# Altium PCB RV901-cnc-flipped.PcbDoc (part 4 of 4)
Units mil, origin at the board's own origin, x right, y up, seen from the top; angles counter-clockwise.
Board outline 5760 x 3629.92 mil, 4 copper layers (Top Layer, Layer 1, Layer 2, Bottom Layer), stack 72.18 mil thick; 387 components, 259 nets, 1192 pads, 558 vias.
Unrouted connection lines stored in the file: 53.
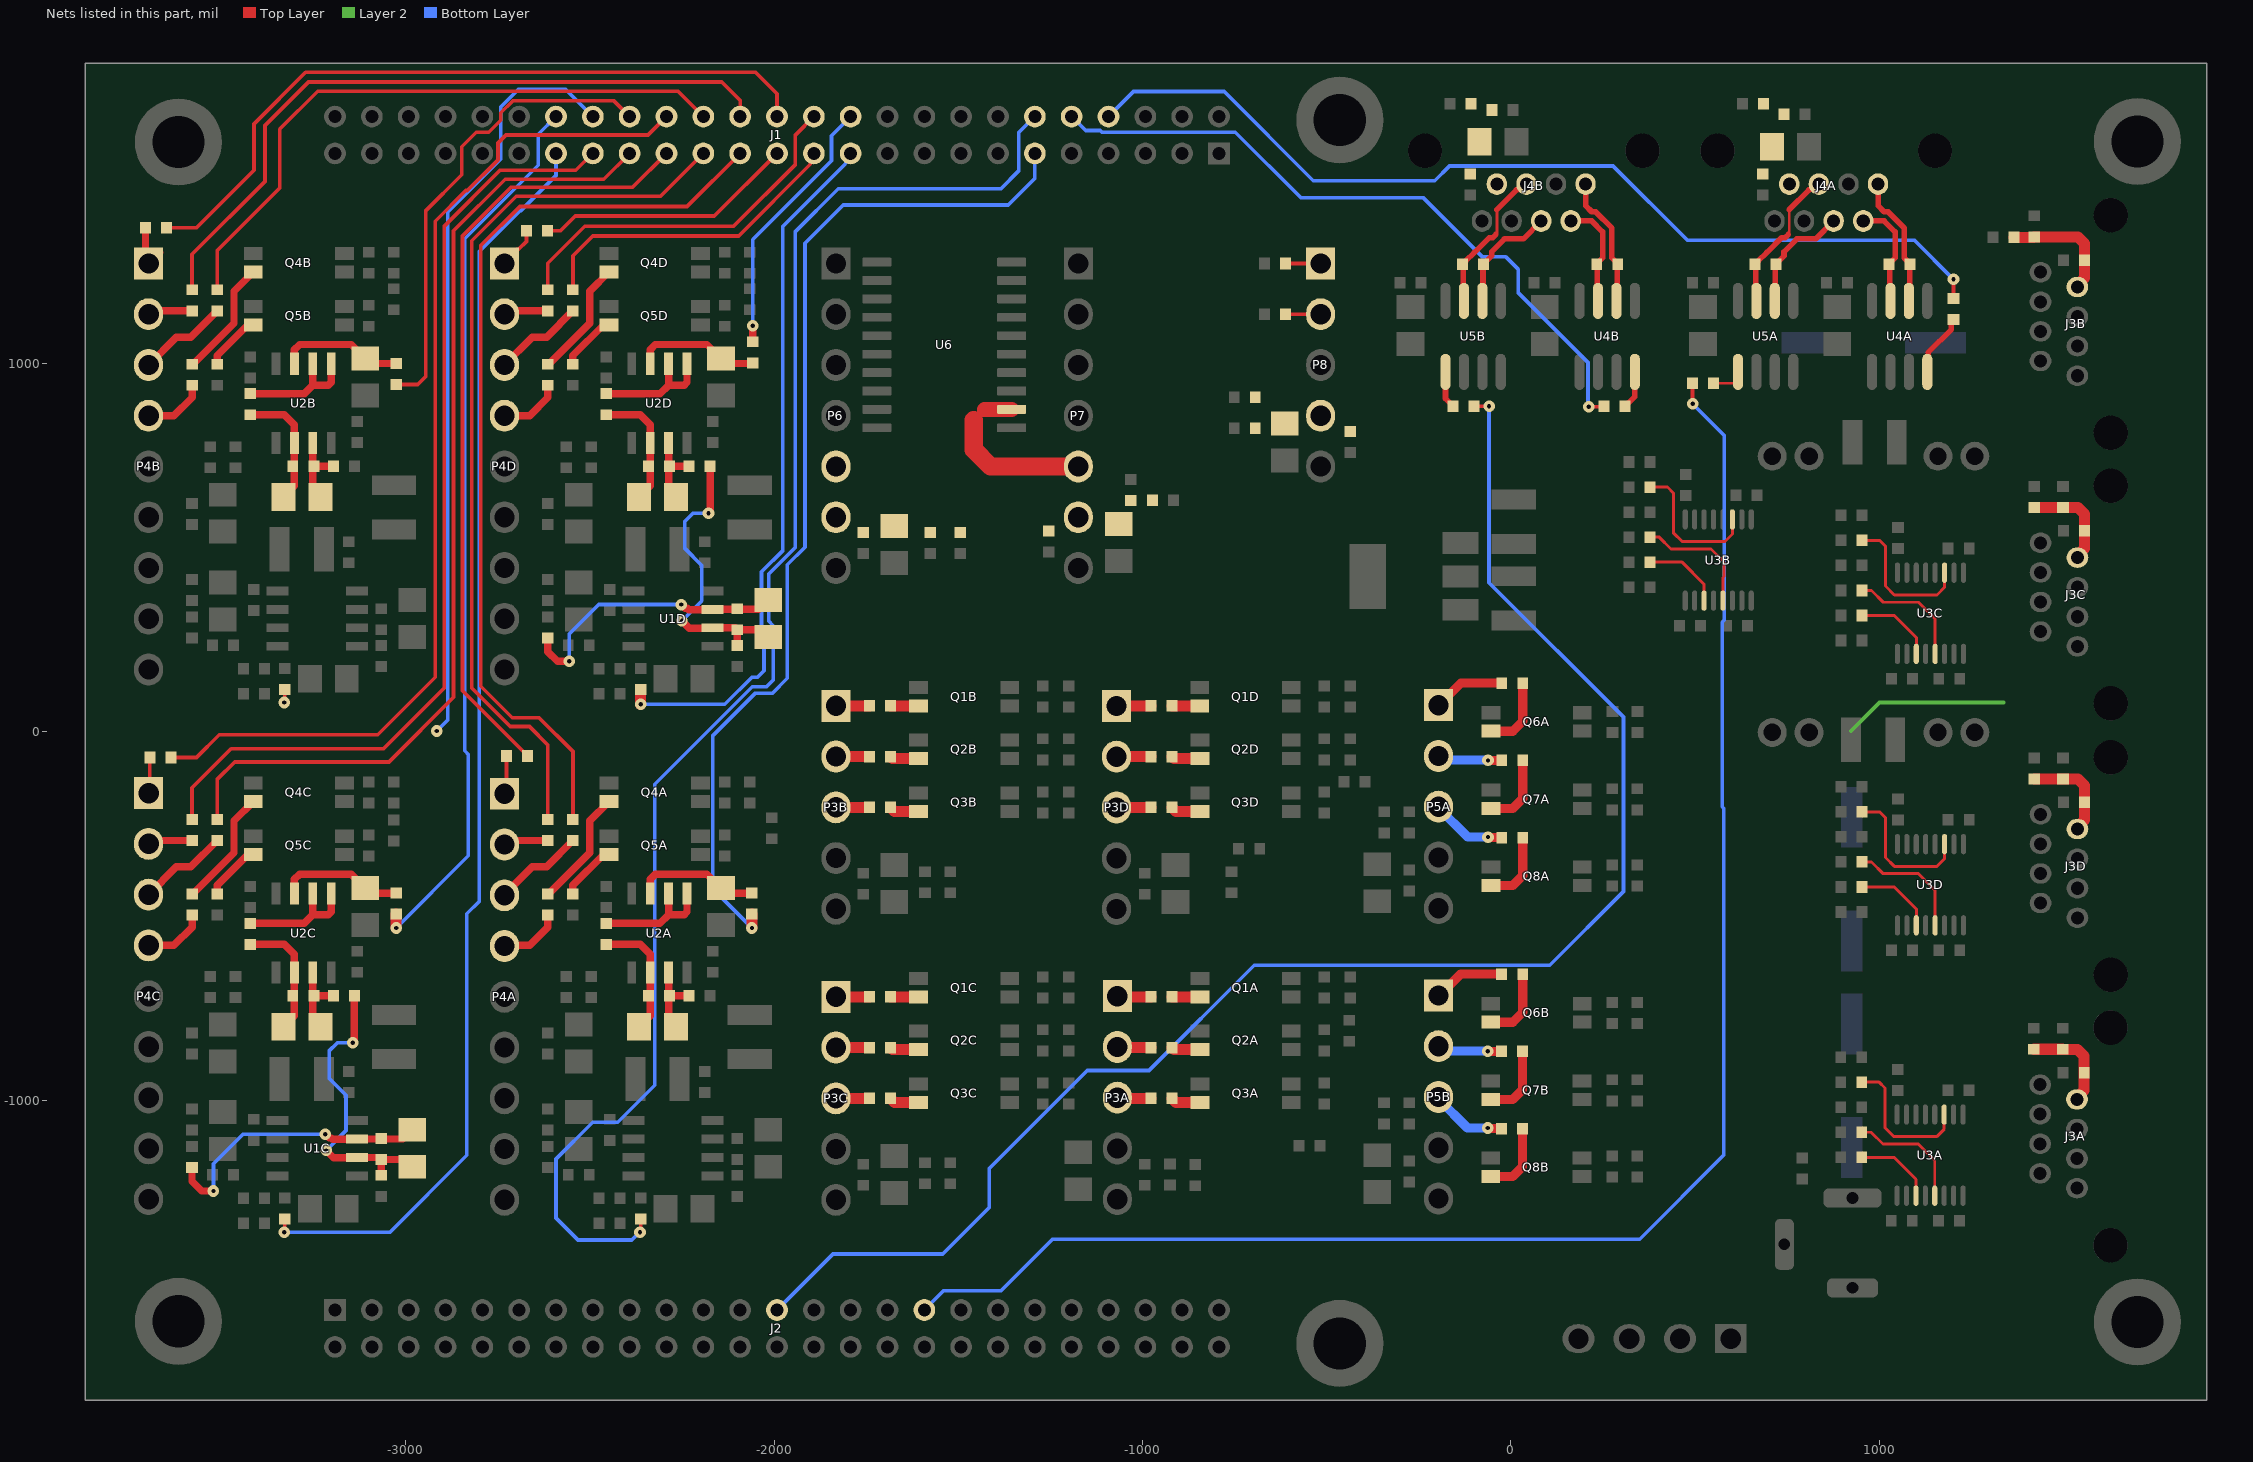
[diagram p6: the nets of this part, all layers, seen from the top]

## Via types
v1: diameter 31.5, hole 11.81, Top Layer to Bottom Layer, tented both sides, 558 vias

## Nets (pads, with @x,y where several pads share a name; then routed paths per layer and width w, separated by ;. In a path a pad name is that pad's centre, name@x,y a point inside that pad or via, vN(x,y) a via of type N, cw(c..) or ccw(c..) an arc to the next point about the centre after c; other vN are vias at no path point) (continued)
NetC8C_1: C8C.1 R15C.1 R19C.2 U1C.7 | length 769.9
  Top Layer w20: R15C.1@-3580.28,-1183.36 -3580.28,-1220.6 -3554.06,-1246.82 v1(-3522.06,-1246.82) ; v1(-3218.06,-1092.82) -3207.81,-1103.07 -3202.08,-1103.07 -3198.34,-1106.82 -3133.78,-1106.82 U1C.7@-3132.78,-1105.82 -3066.28,-1105.82 -3007.48,-1105.82 C8C.1@-2982.28,-1080.62
  Bottom Layer w10: v1(-3522.06,-1246.82) -3522.06,-1172.82 -3442.06,-1092.82 v1(-3218.06,-1092.82)
NetC8C_2: C8C.2 R16C.2 R18C.2 R19C.1 U1C.6 | length 810.2
  Top Layer w20: v1(-3216.06,-1136.82) -3196.06,-1156.82 -3133.78,-1156.82 U1C.6@-3132.78,-1155.82 -3071.83,-1155.82 R19C.1@-3066.28,-1161.36 ; v1(-3144.06,-844.82) -3139.52,-840.28 R18C.2@-3139.52,-716.82 ; R16C.2@-3066.28,-1204.28 R19C.1@-3066.28,-1161.36 ; C8C.2@-2982.28,-1181.02 -3001.94,-1161.36 R19C.1@-3066.28,-1161.36
  Bottom Layer w10: v1(-3216.06,-1136.82) -3162.06,-1082.82 -3162.06,-986.82 -3208.06,-940.82 -3208.06,-866.82 -3186.06,-844.82 v1(-3144.06,-844.82)
NetC8D_1: C8D.1 R15D.1 R19D.2 U1D.7 | length 769.9
  Top Layer w20: R15D.1@-2614.31,254.64 -2614.31,217.4 -2588.09,191.18 v1(-2556.09,191.18) ; v1(-2252.09,345.18) -2241.84,334.93 -2236.12,334.93 -2232.37,331.18 -2167.81,331.18 U1D.7@-2166.81,332.18 -2100.31,332.18 -2041.51,332.18 C8D.1@-2016.31,357.38
  Bottom Layer w10: v1(-2556.09,191.18) -2556.09,265.18 -2476.09,345.18 v1(-2252.09,345.18)
NetC8D_2: C8D.2 R16D.2 R18D.2 R19D.1 U1D.6 | length 810.2
  Top Layer w20: v1(-2250.09,301.18) -2230.09,281.18 -2167.81,281.18 U1D.6@-2166.81,282.18 -2105.86,282.18 R19D.1@-2100.31,276.64 ; v1(-2178.09,593.18) -2173.55,597.72 R18D.2@-2173.55,721.18 ; R16D.2@-2100.31,233.72 R19D.1@-2100.31,276.64 ; C8D.2@-2016.31,256.98 -2035.97,276.64 R19D.1@-2100.31,276.64
  Bottom Layer w10: v1(-2250.09,301.18) -2196.09,355.18 -2196.09,451.18 -2242.09,497.18 -2242.09,571.18 -2220.09,593.18 v1(-2178.09,593.18)
NetC9A_1: C9A.1 R20A.2 U2A.3 | length 341.5
  Top Layer w20: U2A.3@-2336.29,-439.07 -2336.29,-400.91 -2322.2,-386.82 -2182.09,-386.82 C9A.1@-2144.09,-424.82 -2130.64,-438.28 R20A.2@-2060.09,-438.28
NetC9B_1: C9B.1 R20B.2 U2B.3 | length 341.5
  Top Layer w20: U2B.3@-3302.26,998.93 -3302.26,1037.09 -3288.17,1051.18 -3148.06,1051.18 C9B.1@-3110.06,1013.18 -3096.61,999.72 R20B.2@-3026.06,999.72
NetC9C_1: C9C.1 R20C.2 U2C.3 | length 341.5
  Top Layer w20: U2C.3@-3302.26,-439.07 -3302.26,-400.91 -3288.17,-386.82 -3148.06,-386.82 C9C.1@-3110.06,-424.82 -3096.61,-438.28 R20C.2@-3026.06,-438.28
NetC9D_1: C9D.1 R20D.2 U2D.3 | length 341.5
  Top Layer w20: U2D.3@-2336.29,998.93 -2336.29,1037.09 -2322.2,1051.18 -2182.09,1051.18 C9D.1@-2144.09,1013.18 -2130.64,999.72 R20D.2@-2060.09,999.72
NetC14A_1: C14A.1 R18A.1 R22A.2 U2A.7 | length 211
  Top Layer w20: R22A.2@-2286.29,-717.25 -2285.86,-716.82 R18A.1@-2230.64,-716.82 ; U2A.7@-2286.29,-654.07 -2286.29,-780.43 C14A.1@-2265.9,-800.82
NetC14A_2: C14A.2 R21A.2 R22A.1 U2A.6 | length 337.7
  Top Layer w20: R21A.2@-2454.09,-577.36 -2363.55,-577.36 -2336.29,-604.62 U2A.6@-2336.29,-654.07 -2336.29,-716.82 -2336.29,-770.82 C14A.2@-2366.29,-800.82
NetC14B_1: C14B.1 R18B.1 R22B.2 U2B.7 | length 211
  Top Layer w20: R22B.2@-3252.26,720.75 -3251.83,721.18 R18B.1@-3196.61,721.18 ; U2B.7@-3252.26,783.93 -3252.26,657.57 C14B.1@-3231.87,637.18
NetC14B_2: C14B.2 R21B.2 R22B.1 U2B.6 | length 337.7
  Top Layer w20: R21B.2@-3420.06,860.64 -3329.52,860.64 -3302.26,833.38 U2B.6@-3302.26,783.93 -3302.26,721.18 -3302.26,667.18 C14B.2@-3332.26,637.18
NetC14C_1: C14C.1 R18C.1 R22C.2 U2C.7 | length 211
  Top Layer w20: R22C.2@-3252.26,-717.25 -3251.83,-716.82 R18C.1@-3196.61,-716.82 ; U2C.7@-3252.26,-654.07 -3252.26,-780.43 C14C.1@-3231.87,-800.82
NetC14C_2: C14C.2 R21C.2 R22C.1 U2C.6 | length 337.7
  Top Layer w20: R21C.2@-3420.06,-577.36 -3329.52,-577.36 -3302.26,-604.62 U2C.6@-3302.26,-654.07 -3302.26,-716.82 -3302.26,-770.82 C14C.2@-3332.26,-800.82
NetC14D_1: C14D.1 R18D.1 R22D.2 U2D.7 | length 211
  Top Layer w20: R22D.2@-2286.29,720.75 -2285.86,721.18 R18D.1@-2230.64,721.18 ; U2D.7@-2286.29,783.93 -2286.29,657.57 C14D.1@-2265.9,637.18
NetC14D_2: C14D.2 R21D.2 R22D.1 U2D.6 | length 337.7
  Top Layer w20: R21D.2@-2454.09,860.64 -2363.55,860.64 -2336.29,833.38 U2D.6@-2336.29,783.93 -2336.29,721.18 -2336.29,667.18 C14D.2@-2366.29,637.18
NetC21A_1: C21A.1 J3A.7 R39A.2 R40A.1 | length 270.4
  Top Layer w30: R39A.2@1420.39,-862.05 R40A.1@1498.39,-862.05 1498.62,-862.28 1539.17,-862.28 1556.93,-880.05 C21A.1@1556.93,-925.5 1556.93,-973.96 1537.39,-993.5 J3A.7@1537.39,-998.33
NetC21B_1: C21B.1 J3B.7 R39B.2 R40B.1 | length 325.9
  Top Layer w30: R40B.1@1366.48,1342 1419.25,1342 1420.84,1343.59 R39B.2@1421.35,1343.59 1499.35,1343.59 1499.59,1343.35 1540.13,1343.35 1557.9,1325.59 C21B.1@1557.9,1280.13 1557.9,1231.68 1538.35,1212.14 J3B.7@1538.35,1207.31
NetC21C_1: C21C.1 J3C.7 R39C.2 R40C.1 | length 270.4
  Top Layer w30: R39C.2@1421.39,608.95 R40C.1@1499.39,608.95 1499.62,608.72 1540.17,608.72 1557.93,590.95 C21C.1@1557.93,545.5 1557.93,497.04 1538.39,477.5 J3C.7@1538.39,472.67
NetC21D_1: C21D.1 J3D.7 R39D.2 R40D.1 | length 270.4
  Top Layer w30: R39D.2@1421.39,-128.05 R40D.1@1499.39,-128.05 1499.62,-128.28 1540.17,-128.28 1557.93,-146.05 C21D.1@1557.93,-191.5 1557.93,-239.96 1538.39,-259.5 J3D.7@1538.39,-264.33
NetC25A_1: C25A.1 C26A.1 J4A.7 R43A.2 R44A.1
NetC25B_1: C25B.1 C26B.1 J4B.7 R43B.2 R44B.1
NetC34_1: C34.1 C35.1 P6.6 R55.2 R56.1
NetC36_1: C36.1 C37.1 P7.6 R57.2 R58.1
NetC38_1: C38.1 C39.1 P8.4 R62.2 R63.1
NetP3A_1: P3A.1 R2A.1 | length 91.5
  Top Layer w30: P3A.1@-1068.06,-719.72 R2A.1@-976.61,-719.72
NetP3A_2: P3A.2 R4A.1 | length 91.5
  Top Layer w30: P3A.2@-1068.06,-857.52 R4A.1@-976.61,-857.51
NetP3A_3: P3A.3 R6A.1 | length 91.5
  Top Layer w30: P3A.3@-1068.06,-995.31 R6A.1@-976.61,-995.31
NetP3B_1: P3B.1 R2B.1 | length 91.5
  Top Layer w30: P3B.1@-1832.09,70.28 R2B.1@-1740.64,70.28
NetP3B_2: P3B.2 R4B.1 | length 91.5
  Top Layer w30: P3B.2@-1832.09,-67.52 R4B.1@-1740.64,-67.51
NetP3B_3: P3B.3 R6B.1 | length 91.5
  Top Layer w30: P3B.3@-1832.09,-205.32 R6B.1@-1740.64,-205.31
NetP3C_1: P3C.1 R2C.1 | length 91.5
  Top Layer w30: P3C.1@-1832.09,-719.72 R2C.1@-1740.64,-719.72
NetP3C_2: P3C.2 R4C.1 | length 91.5
  Top Layer w30: P3C.2@-1832.09,-857.52 R4C.1@-1740.64,-857.51
NetP3C_3: P3C.3 R6C.1 | length 91.5
  Top Layer w30: P3C.3@-1832.09,-995.32 R6C.1@-1740.64,-995.31
NetP3D_1: P3D.1 R2D.1 | length 91.5
  Top Layer w30: P3D.1@-1068.09,70.28 R2D.1@-976.64,70.28
NetP3D_2: P3D.2 R4D.1 | length 91.5
  Top Layer w30: P3D.2@-1068.09,-67.52 R4D.1@-976.64,-67.51
NetP3D_3: P3D.3 R6D.1 | length 91.5
  Top Layer w30: P3D.3@-1068.09,-205.31 R6D.1@-976.64,-205.31
NetP4A_1: P4A.1 R7A.2 | length 147.1
  Top Layer w10: P4A.1@-2732.09,-168.54 -2726.61,-163.06 R7A.2@-2726.61,-66
  Top Layer w20: P4A.1@-2732.09,-166.72 P4A.1@-2702.19,-136.82
NetP4A_2: P4A.2 R8A.2 | length 121.8
  Top Layer w20: P4A.2@-2732.09,-304.52 -2722.94,-295.36 R8A.2@-2614.09,-295.36
NetP4A_3: P4A.3 R9A.2 | length 246.9
  Top Layer w20: P4A.3@-2732.09,-442.32 -2656.6,-366.82 -2617.55,-366.82 R9A.2@-2546.09,-295.36
NetP4B_1: P4B.1 R7B.2 | length 142.6
  Top Layer w20: R7B.2@-3706.61,1368 -3706.61,1279.82 P4B.1@-3698.06,1271.28 P4B.1@-3668.16,1301.18
NetP4B_2: P4B.2 R8B.2 | length 121.8
  Top Layer w20: P4B.2@-3698.06,1133.48 -3688.91,1142.64 R8B.2@-3580.06,1142.64
NetP4B_3: P4B.3 R9B.2 | length 246.9
  Top Layer w20: P4B.3@-3698.06,995.68 -3622.57,1071.18 -3583.52,1071.18 R9B.2@-3512.06,1142.64
NetP4C_1: P4C.1 R7C.2 | length 98.2
  Top Layer w10: P4C.1@-3698.06,-166.72 -3694.61,-163.27 R7C.2@-3694.61,-70
NetP4C_2: P4C.2 R8C.2 | length 121.8
  Top Layer w20: P4C.2@-3698.06,-304.52 -3688.91,-295.36 R8C.2@-3580.06,-295.36
NetP4C_3: P4C.3 R9C.2 | length 246.9
  Top Layer w20: P4C.3@-3698.06,-442.32 -3622.57,-366.82 -3583.52,-366.82 R9C.2@-3512.06,-295.36
NetP4D_1: P4D.1 R7D.2 | length 115.8
  Top Layer w10: P4D.1@-2732.09,1271.28 -2732.09,1275.21 -2697.72,1309.58 -2693.79,1309.58 -2672.33,1331.03 R7D.2@-2672.33,1360
NetP4D_2: P4D.2 R8D.2 | length 121.8
  Top Layer w20: P4D.2@-2732.09,1133.48 -2722.94,1142.64 R8D.2@-2614.09,1142.64
NetP4D_3: P4D.3 R9D.2 | length 246.9
  Top Layer w20: P4D.3@-2732.09,995.68 -2656.6,1071.18 -2617.55,1071.18 R9D.2@-2546.09,1142.64
NetP5A_1: P5A.1 R50A.1 | length 195.9
  Top Layer w25: P5A.1@-195.43,72 -135.43,132 R50A.1@-24.35,132
NetP5A_2: P5A.2 R52A.1 | length 175.9
  Top Layer w25: v1(-61.81,-78) R52A.1@-24.57,-78
  Bottom Layer w25: P5A.2@-195.43,-65.8 -184.47,-76.76 -63.05,-76.76 v1(-61.81,-78)
NetP5A_3: P5A.3 R54A.1 | length 207.7
  Top Layer w25: v1(-61.81,-286) -60.81,-287 R54A.1@-24.57,-287
  Bottom Layer w25: P5A.3@-195.43,-203.59 -195.43,-207.53 -116.96,-286 v1(-61.81,-286)
NetP5B_1: P5B.1 R50B.1 | length 195.9
  Top Layer w25: P5B.1@-195.68,-718 -135.69,-658 R50B.1@-24.61,-658
NetP5B_2: P5B.2 R52B.1 | length 175.9
  Top Layer w25: v1(-62.06,-868) R52B.1@-24.83,-868
  Bottom Layer w25: P5B.2@-195.68,-855.8 -184.72,-866.76 -63.31,-866.76 v1(-62.06,-868)
NetP5B_3: P5B.3 R54B.1 | length 207.7
  Top Layer w25: v1(-62.06,-1076) -61.06,-1077 R54B.1@-24.83,-1077
  Bottom Layer w25: P5B.3@-195.68,-993.59 -195.68,-997.53 -117.21,-1076 v1(-62.06,-1076)
NetP8_1: P8.1 R59.2 | length 95.5
  Top Layer w10: R59.2@-611.52,1271.27 P8.1@-516.06,1271.27
NetP8_2: P8.2 R60.2 | length 95.5
  Top Layer w10: R60.2@-611.52,1133.48 P8.2@-516.06,1133.48
NetQ1A_2: Q1A.2 R2A.2 | length 75.5
  Top Layer w30: R2A.2@-919.52,-719.72 -919.47,-719.77 -844.13,-719.77 Q1A.2@-844.08,-719.82
NetQ1B_2: Q1B.2 R2B.2 | length 75.5
  Top Layer w30: R2B.2@-1683.55,70.28 -1683.5,70.23 Q1B.2@-1608.11,70.18 Q1B.2@-1608.11,70.18
NetQ1C_2: Q1C.2 R2C.2 | length 75.5
  Top Layer w30: R2C.2@-1683.55,-719.72 -1683.5,-719.77 Q1C.2@-1608.11,-719.82 Q1C.2@-1608.11,-719.82
NetQ1D_2: Q1D.2 R2D.2 | length 75.5
  Top Layer w30: R2D.2@-919.55,70.28 -919.5,70.23 Q1D.2@-844.11,70.18 Q1D.2@-844.11,70.18
NetQ2A_2: Q2A.2 R4A.2 | length 78
  Top Layer w30: R4A.2@-919.52,-857.51 -919.52,-858.02 -914.72,-862.82 Q2A.2@-844.06,-862.82
NetQ2B_2: Q2B.2 R4B.2 | length 78
  Top Layer w30: R4B.2@-1683.55,-67.51 -1683.55,-68.02 -1678.76,-72.82 Q2B.2@-1608.09,-72.82
NetQ2C_2: Q2C.2 R4C.2 | length 78
  Top Layer w30: R4C.2@-1683.55,-857.51 -1683.55,-858.02 -1678.76,-862.82 Q2C.2@-1608.09,-862.82
NetQ2D_2: Q2D.2 R4D.2 | length 78
  Top Layer w30: R4D.2@-919.55,-67.51 -919.55,-68.02 -914.76,-72.82 Q2D.2@-844.09,-72.82
NetQ3A_2: Q3A.2 R6A.2 | length 80.5
  Top Layer w30: R6A.2@-919.52,-995.31 -919.52,-995.82 -908.52,-1006.82 Q3A.2@-844.06,-1006.82
NetQ3B_2: Q3B.2 R6B.2 | length 80.5
  Top Layer w30: R6B.2@-1683.55,-205.31 -1683.55,-205.82 -1672.55,-216.82 Q3B.2@-1608.09,-216.82
NetQ3C_2: Q3C.2 R6C.2 | length 80.5
  Top Layer w30: R6C.2@-1683.55,-995.31 -1683.55,-995.82 -1672.55,-1006.82 Q3C.2@-1608.09,-1006.82
NetQ3D_2: Q3D.2 R6D.2 | length 80.5
  Top Layer w30: R6D.2@-919.55,-205.31 -919.55,-205.82 -908.55,-216.82 Q3D.2@-844.09,-216.82
NetQ4A_2: Q4A.2 R27A.2 | length 320.7
  Top Layer w20: R27A.2@-2614.09,-440.28 -2611.55,-440.28 -2500.09,-328.82 -2500.09,-241.8 Q4A.2@-2448.11,-189.82
NetQ4B_2: Q4B.2 R27B.2 | length 320.7
  Top Layer w20: R27B.2@-3580.06,997.72 -3577.52,997.72 -3466.06,1109.18 -3466.06,1196.2 Q4B.2@-3414.08,1248.18
NetQ4C_2: Q4C.2 R27C.2 | length 320.7
  Top Layer w20: R27C.2@-3580.06,-440.28 -3577.52,-440.28 -3466.06,-328.82 -3466.06,-241.8 Q4C.2@-3414.08,-189.82
NetQ4D_2: Q4D.2 R27D.2 | length 320.7
  Top Layer w20: R27D.2@-2614.09,997.72 -2611.55,997.72 -2500.09,1109.18 -2500.09,1196.2 Q4D.2@-2448.11,1248.18
NetQ5A_2: Q5A.2 R29A.2 | length 155.8
  Top Layer w20: R29A.2@-2546.09,-440.28 -2546.09,-416.82 -2463.09,-333.82 Q5A.2@-2448.11,-333.82
NetQ5B_2: Q5B.2 R29B.2 | length 155.8
  Top Layer w20: R29B.2@-3512.06,997.72 -3512.06,1021.18 -3429.06,1104.18 Q5B.2@-3414.08,1104.18
NetQ5C_2: Q5C.2 R29C.2 | length 155.8
  Top Layer w20: R29C.2@-3512.06,-440.28 -3512.06,-416.82 -3429.06,-333.82 Q5C.2@-3414.08,-333.82
NetQ5D_2: Q5D.2 R29D.2 | length 155.8
  Top Layer w20: R29D.2@-2546.09,997.72 -2546.09,1021.18 -2463.09,1104.18 Q5D.2@-2448.11,1104.18
NetQ6A_2: Q6A.2 R50A.2 | length 201.2
  Top Layer w25: Q6A.2@-53.83,1.46 5.65,1.46 32.73,28.54 R50A.2@32.73,132
NetQ6B_2: Q6B.2 R50B.2 | length 201.2
  Top Layer w25: Q6B.2@-54.08,-788.54 5.39,-788.54 32.48,-761.46 R50B.2@32.48,-658
NetQ7A_2: Q7A.2 R52A.2 | length 201.2
  Top Layer w25: Q7A.2@-54.05,-208.54 5.43,-208.54 32.51,-181.46 R52A.2@32.51,-78
NetQ7B_2: Q7B.2 R52B.2 | length 201.2
  Top Layer w25: Q7B.2@-54.3,-998.54 5.17,-998.54 32.26,-971.46 R52B.2@32.26,-868
NetQ8A_2: Q8A.2 R54A.2 | length 201.2
  Top Layer w25: Q8A.2@-54.05,-417.54 5.43,-417.54 32.51,-390.46 R54A.2@32.51,-287
NetQ8B_2: Q8B.2 R54B.2 | length 201.2
  Top Layer w25: Q8B.2@-54.3,-1207.54 5.17,-1207.54 32.26,-1180.46 R54B.2@32.26,-1077
NetR21A_1: R21A.1 U2A.1 U2A.2 | length 338.6
  Top Layer w20: R21A.1@-2454.09,-520.28 -2309.55,-520.28 -2286.29,-497.02 ; U2A.2@-2286.29,-439.07 -2286.29,-497.02 ; U2A.1@-2236.29,-439.07 -2236.29,-489.02 -2244.29,-497.02 -2286.29,-497.02
NetR21B_1: R21B.1 U2B.1 U2B.2 | length 338.6
  Top Layer w20: R21B.1@-3420.06,917.72 -3275.52,917.72 -3252.26,940.98 ; U2B.2@-3252.26,998.93 -3252.26,940.98 ; U2B.1@-3202.26,998.93 -3202.26,948.98 -3210.26,940.98 -3252.26,940.98
NetR21C_1: R21C.1 U2C.1 U2C.2 | length 338.6
  Top Layer w20: R21C.1@-3420.06,-520.28 -3275.52,-520.28 -3252.26,-497.02 ; U2C.2@-3252.26,-439.07 -3252.26,-497.02 ; U2C.1@-3202.26,-439.07 -3202.26,-489.02 -3210.26,-497.02 -3252.26,-497.02
NetR21D_1: R21D.1 U2D.1 U2D.2 | length 338.6
  Top Layer w20: R21D.1@-2454.09,917.72 -2309.55,917.72 -2286.29,940.98 ; U2D.2@-2286.29,998.93 -2286.29,940.98 ; U2D.1@-2236.29,998.93 -2236.29,948.98 -2244.29,940.98 -2286.29,940.98
NetR30A_1: R30A.1 U3A.3 | length 216.4
  Top Layer w8: R30A.1@952.9,-1155.5 1040.39,-1155.5 1100,-1215.12 U3A.3@1100,-1259.74
NetR30B_1: R30B.1 U3B.3 | length 216.4
  Top Layer w8: R30B.1@377.87,460.13 465.35,460.13 524.97,400.52 U3B.3@524.97,355.9
NetR30C_1: R30C.1 U3C.3 | length 216.4
  Top Layer w8: R30C.1@953.9,315.5 1041.39,315.5 1101,255.88 U3C.3@1101,211.26
NetR30D_1: R30D.1 U3D.3 | length 216.4
  Top Layer w8: R30D.1@953.9,-421.5 1041.39,-421.5 1101,-481.12 U3D.3@1101,-525.74
NetR32A_1: R32A.1 U3A.5 | length 325.5
  Top Layer w8: R32A.1@952.9,-1087.5 978.39,-1087.5 1010.39,-1119.5 1106.39,-1119.5 1151.18,-1164.3 U3A.5@1151.18,-1259.74
NetR32B_1: R32B.1 U3B.5 | length 334.8
  Top Layer w8: R32B.1@377.87,528.13 403.35,528.13 435.35,496.13 543.7,496.13 578.65,461.18 578.65,421.46 576.15,418.96 U3B.5@576.15,355.9
NetR32C_1: R32C.1 U3C.5 | length 325.5
  Top Layer w8: R32C.1@953.9,383.5 979.39,383.5 1011.39,351.5 1107.39,351.5 1152.18,306.7 U3C.5@1152.18,211.26
NetR32D_1: R32D.1 U3D.5 | length 325.5
  Top Layer w8: R32D.1@953.9,-353.5 979.39,-353.5 1011.39,-385.5 1107.39,-385.5 1152.18,-430.3 U3D.5@1152.18,-525.74
NetR34A_1: R34A.1 U3A.11 | length 396.7
  Top Layer w8: R34A.1@952.9,-951.5 1000.39,-951.5 1016.39,-967.5 1016.39,-1075.5 1040.39,-1099.5 1156.39,-1099.5 1176.77,-1079.12 U3A.11@1176.77,-1039.27
NetR34B_1: R34B.1 U3B.11 | length 396.7
  Top Layer w8: R34B.1@377.87,664.13 425.35,664.13 441.35,648.13 441.35,540.13 465.35,516.13 581.35,516.13 601.74,536.52 U3B.11@601.74,576.37
NetR34C_1: R34C.1 U3C.11 | length 396.7
  Top Layer w8: R34C.1@953.9,519.5 1001.39,519.5 1017.39,503.5 1017.39,395.5 1041.39,371.5 1157.39,371.5 1177.77,391.88 U3C.11@1177.77,431.73
NetR34D_1: R34D.1 U3D.11 | length 396.7
  Top Layer w8: R34D.1@953.9,-217.5 1001.39,-217.5 1017.39,-233.5 1017.39,-341.5 1041.39,-365.5 1157.39,-365.5 1177.77,-345.12 U3D.11@1177.77,-305.27
NetR42A_2: R42A.2 U4A.4 | length 172.2
  Top Layer w15: U4A.4@1130.91,976.72 1133.31,979.13 1133.31,1029.37 1196.5,1092.56 1196.5,1114.02 R42A.2@1201.94,1119.46
NetR42B_2: R42B.2 U4B.4 | length 105.1
  Top Layer w15: R42B.2@310.45,883.18 310.45,884.17 317.71,891.43 318.7,891.43 336.91,909.64 U4B.4@336.91,976.72
NetR45A_2: R45A.2 U5A.1 | length 91.9
  Top Layer w8: R45A.2@550.48,946 607.87,946 616.91,955.04 U5A.1@616.91,976.72
NetR45B_2: R45B.2 U5B.1 | length 102
  Top Layer w15: U5B.1@-177.09,976.72 -177.09,904.62 -156.64,884.17 R45B.2@-156.64,883.18
OC_BA: P4A.4 R27A.1 | length 171.9
  Top Layer w20: P4A.4@-2732.09,-580.11 -2663.39,-580.11 -2614.09,-530.82 R27A.1@-2614.09,-497.36
OC_BB: P4B.4 R27B.1 | length 171.9
  Top Layer w20: P4B.4@-3698.06,857.89 -3629.35,857.89 -3580.06,907.18 R27B.1@-3580.06,940.64
OC_BC: P4C.4 R27C.1 | length 171.9
  Top Layer w20: P4C.4@-3698.06,-580.11 -3629.35,-580.11 -3580.06,-530.82 R27C.1@-3580.06,-497.36
OC_BD: P4D.4 R27D.1 | length 171.9
  Top Layer w20: P4D.4@-2732.09,857.89 -2663.39,857.89 -2614.09,907.18 R27D.1@-2614.09,940.64
OUT_A_DIR: J1.29 R8A.1 | length 2414.9
  Top Layer w10: R8A.1@-2614.09,-238.28 -2614.09,-35.97 -2664.06,14 -2716.54,14 -2821.06,118.53 -2821.06,1333 -2700.06,1454 -2308.14,1454 J1.29@-2192.06,1570.08
OUT_A_EN: J1.27 R9A.1 | length 2511.9
  Top Layer w10: R9A.1@-2546.09,-238.28 -2546.09,-53.97 -2638.06,38 -2710.54,38 -2796.06,123.53 -2796.06,1320 -2690.06,1426 -2236.14,1426 J1.27@-2092.06,1570.08
OUT_A_PWM_N: J1.11 R20A.1 | length 2836.2
  Top Layer w30: v1(-2060.09,-532.82) R20A.1@-2060.09,-495.36
  Bottom Layer w10: v1(-2060.09,-532.82) -2166.06,-426.85 -2166.06,-10 -2052.06,104 -2005.15,104 -1964.06,145.09 -1964.06,453.09 -1916.06,501.09 -1916.06,1326 -1812.06,1430 -1364.06,1430 -1292.06,1502 J1.11@-1292.06,1570.08
OUT_A_PWM_P: J1.12 R12A.1 | length 4158.2
  Top Layer w10: v1(-2364.09,-1358.82) -2362.31,-1357.04 R12A.1@-2362.31,-1323.36
  Bottom Layer w10: v1(-2364.09,-1358.82) -2365.22,-1358.82 -2386.4,-1380 -2532.06,-1380 -2592.06,-1320 -2592.06,-1160 -2492.06,-1060 -2424.06,-1060 -2324.06,-960 -2324.06,-142.54 -2059.52,122 -2020.61,122 -2002.06,140.54 -2002.06,287.8 -2014.54,300.27 -2014.54,428.07 -1942.06,500.54 -1942.06,1358 -1826.06,1474 -1384.06,1474 -1336.06,1522 -1336.06,1626.08 J1.12@-1292.06,1670.08
OUT_A_STEP: J1.31 R7A.1 | length 2131.9
  Top Layer w10: R7A.1@-2669.52,-66 -2669.52,-65.02 -2846.06,111.53 -2846.06,1346 -2714.06,1478 -2384.14,1478 J1.31@-2292.06,1570.08
OUT_X_DIR: J1.28 R8B.1 | length 1931.8
  Top Layer w10: R8B.1@-3580.06,1199.72 -3580.06,1296 -3382.06,1494 -3382.06,1646 -3264.06,1764 -2142.06,1764 -2092.06,1714 J1.28@-2092.06,1670.08
OUT_X_EN: J1.30 R9B.1 | length 1727.9
  Top Layer w10: R9B.1@-3512.06,1199.72 -3512.06,1306 -3342.06,1476 -3342.06,1636 -3239.03,1739.03 -2261.02,1739.03 J1.30@-2192.06,1670.08
OUT_X_PWM_N: J1.34 R20B.1 | length 1290.6
  Top Layer w10: R20B.1@-3026.06,942.64 -2967.43,942.64 -2946.06,964 -2946.06,1414 -2848.06,1512 -2848.06,1588 -2808.51,1627.55 -2774.45,1627.55 -2742.06,1659.93 -2742.06,1680.22 -2709.68,1712.6 -2434.59,1712.6 J1.34@-2392.06,1670.08
OUT_X_PWM_P: J1.36 R12B.1 | length 2548.7
  Top Layer w10: v1(-3330.06,79.18) -3328.28,80.96 R12B.1@-3328.28,114.64
  Layer 2 w10: 924,2 1001.18,79.18 1338,79.18
  Bottom Layer w10: v1(-2916.06,2) -2886.06,32 -2886.06,1410 -2742.06,1554 -2742.06,1696 -2694.06,1744 -2565.99,1744 J1.36@-2492.06,1670.08
OUT_X_STEP: J1.26 R7B.1 | length 1992.2
  Top Layer w10: R7B.1@-3649.52,1368 -3568.06,1368 -3412.06,1524 -3412.06,1650 -3271.79,1790.28 -2050.34,1790.28 -1992.06,1732 J1.26@-1992.06,1670.08
OUT_Y_DIR: J1.35 R8C.1 | length 2622
  Top Layer w10: R8C.1@-3580.06,-238.28 -3580.06,-152 -3474.06,-46 -3060.32,-46 -2895.06,119.26 -2895.06,1373 -2744.06,1524 -2538.14,1524 J1.35@-2492.06,1570.08
OUT_Y_EN: J1.33 R9C.1 | length 2674.5
  Top Layer w10: R9C.1@-3512.06,-238.28 -3512.06,-130 -3464.06,-82 -3045.41,-82 -2870.06,93.35 -2870.06,1360 -2730.06,1500 -2462.14,1500 J1.33@-2392.06,1570.08
OUT_Y_PWM_N: J1.38 R20C.1 | length 2428.4
  Top Layer w30: v1(-3026.06,-532.82) R20C.1@-3026.06,-495.36
  Bottom Layer w10: v1(-3026.06,-532.82) -2830.06,-336.82 -2830.06,-62 -2840.06,-52 -2840.06,1338 -2640.06,1538 -2640.06,1622.08 J1.38@-2592.06,1670.08